# KiCad board MPU_MOD.kicad_pcb
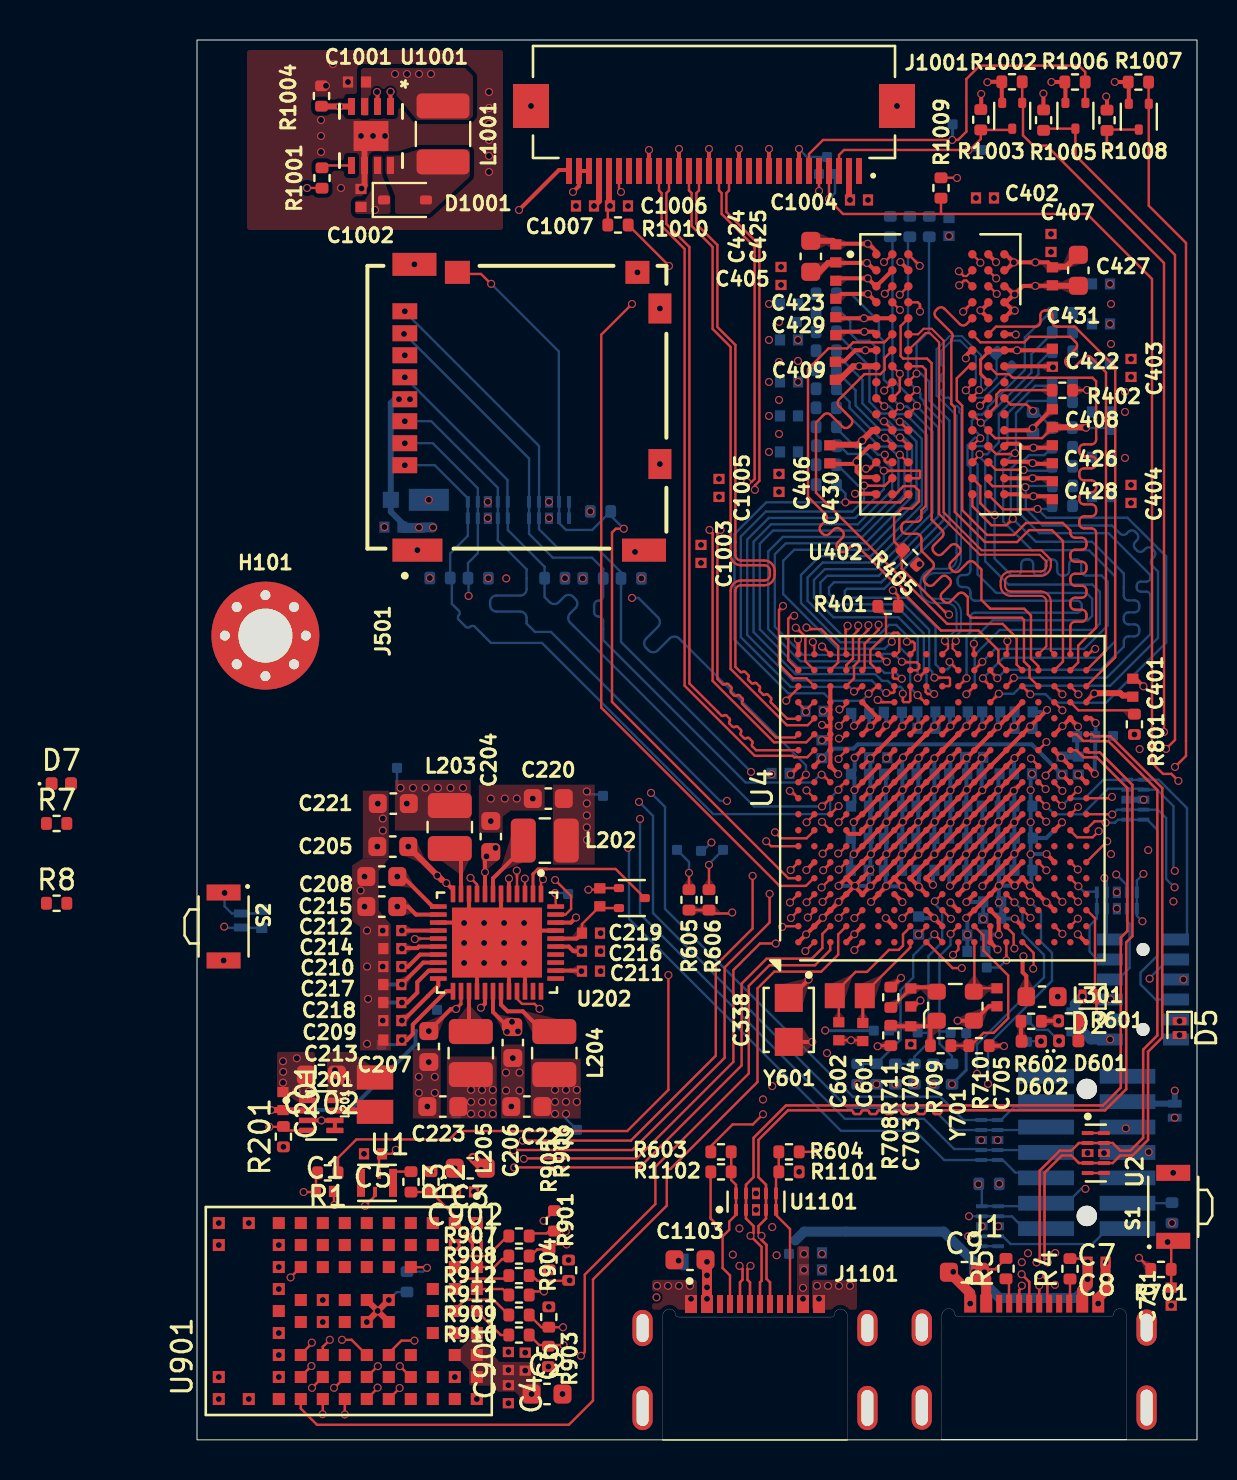
[diagram p0: board, top side]
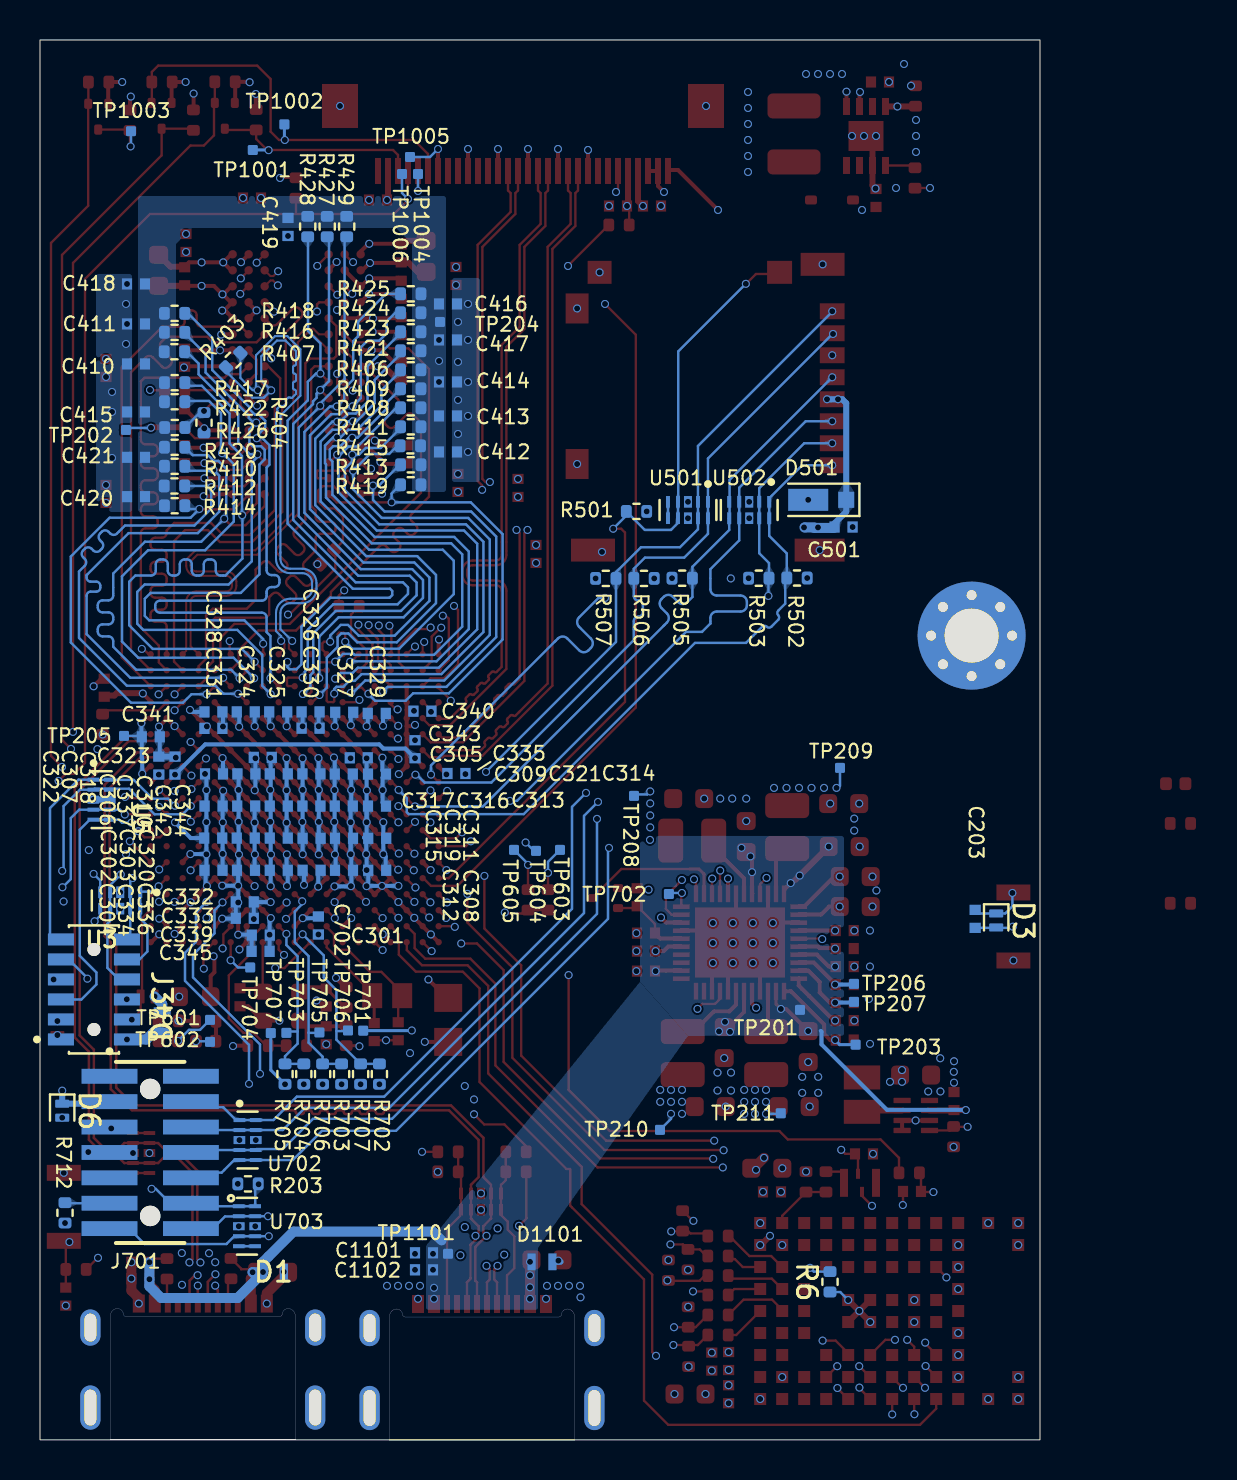
[diagram p1: board, bottom side, seen from below]

Outline 50 x 70.01 mm; copper layers: 1L.Cu, 2L.Cu (plane), 3L.Cu, 4L.Cu (plane), 5L.Cu (plane), 6L.Cu, 7L.Cu (plane), 8L.Cu. Coordinates in mm from the lower left corner of the outline.
Outline path: rectangle 0,70.01 50,0.01
Stack: 1L.Cu 0.035mm / dielectric 0.1mm FR4 er 4.5 / 2L.Cu 0.035mm / dielectric 0.3mm FR4 er 4.5 / 3L.Cu 0.035mm / dielectric 0.1mm FR4 er 4.5 / 4L.Cu 0.035mm / dielectric 0.3mm FR4 er 4.5 / 5L.Cu 0.035mm / dielectric 0.1mm FR4 er 4.5 / 6L.Cu 0.035mm / dielectric 0.3mm FR4 er 4.5 / 7L.Cu 0.035mm / dielectric 0.1mm FR4 er 4.5 / 8L.Cu 0.035mm

## Placement (name value [footprint] x y rotation side)
C1  100nF  [C_0402_small]  6.4 12.43 0 top
C2  22uF  [C_0603_1608Metric]  17.5 2.3 0 top
C3  22uF  [C_0603_1608Metric]  13.66 13.59 180 top
C4  100nF  [C_0402_small]  15.57 2.29 270 top
C5  100nF  [C_0402_small]  8.8 14.31 180 top
C6  1uF  [C_0402_small]  16.41 3.92 270 top
C7  100pF  [C_0402_small]  44.98 8.07 0 top
C8  100nF  [C_0402_small]  44.98 8.89 180 top
C9  10uF  [C_0603_1608Metric]  38.37 8.39 0 top
C201  4.7uF  [C_0402_small]  4.3 16.95 270 top
C202  10uF  [C_0603_1608Metric]  6.22 18.25 180 top
C203  10nF  [C_0402_small]  3.24 26.06 90 bottom
C204  10uF  [C_0603_1608Metric]  14.69 30.17 270 top
C205  10uF  [C_0603_1608Metric]  9.79 29.67 0 top
C206  10uF  [C_0603_1608Metric]  15.79 19.87 90 top
C207  10uF  [C_0603_1608Metric]  11.59 19.67 90 top
C208  10uF  [C_0603_1608Metric]  9.24 28.17 0 top
C209  1uF  [C_0402_small]  9.77 20.97 0 top
C210  1uF  [C_0402_small]  9.77 23.67 0 top
C211  4.7uF  [C_0402_small]  19.7 23.45 180 top
C212  1uF  [C_0402_small]  9.77 25.47 0 top
C213  4.7uF  [C_0402_small]  9.77 20 0 top
C214  4.7uF  [C_0402_small]  9.77 24.57 0 top
C215  10uF  [C_0603_1608Metric]  9.24 26.67 180 top
C216  4.7uF  [C_0402_small]  19.7 24.45 180 top
C217  4.7uF  [C_0402_small]  9.77 22.77 0 top
C218  4.7uF  [C_0402_small]  9.77 21.87 0 top
C219  4.7uF  [C_0402_small]  19.7 25.35 180 top
C220  22uF  [C_0603_1608Metric]  17.56 32.07 0 top
C221  22uF  [C_0603_1608Metric]  9.81 31.82 0 top
C222  22uF  [C_0603_1608Metric]  16.49 16.67 0 top
C223  22uF  [C_0603_1608Metric]  12.29 16.67 0 top
C301  1uF  [C_0402_small]  36.42 28.49 0 bottom
C302  1uF  [C_0402_small]  41.34 30.1 180 bottom
C303  1uF  [C_0402_small]  39.71 30.1 180 bottom
C304  1uF  [C_0402_small]  41.33 28.49 180 bottom
C305  1uF  [C_0402_small]  34.06 34.11 0 bottom
C306  1uF  [C_0402_small]  41.32 31.7 180 bottom
C307  1uF  [C_0402_small]  39.68 33.31 180 bottom
C308  1uF  [C_0402_small]  33.14 28.49 180 bottom
C309  1uF  [C_0402_small]  36.43 33.31 180 bottom
C310  1uF  [C_0402_small]  38.06 31.7 180 bottom
C311  1uF  [C_0402_small]  33.14 30.09 180 bottom
C312  1uF  [C_0402_small]  34.8 28.49 180 bottom
C313  1uF  [C_0402_small]  33.15 31.7 180 bottom
C314  1uF  [C_0402_small]  33.15 33.3 180 bottom
C315  1uF  [C_0402_small]  36.42 30.09 180 bottom
C316  1uF  [C_0402_small]  34.81 31.7 180 bottom
C317  1uF  [C_0402_small]  36.43 31.7 180 bottom
C318  1uF  [C_0402_small]  38.06 33.31 180 bottom
C319  1uF  [C_0402_small]  34.8 30.09 180 bottom
C320  1uF  [C_0402_small]  38.06 30.1 180 bottom
C321  1uF  [C_0402_small]  34.81 33.3 180 bottom
C322  1uF  [C_0402_small]  41.3 33.31 180 bottom
C323  1uF  [C_0402_small]  38.86 34.13 0 bottom
C324  1uF  [C_0402_small]  39.71 36.41 180 bottom
C325  1uF  [C_0402_small]  38.09 36.41 180 bottom
C326  1uF  [C_0402_small]  36.47 36.41 180 bottom
C327  1uF  [C_0402_small]  34.79 36.39 180 bottom
C328  1nF  [C_0402_small]  41.33 36.41 180 bottom
C329  1nF  [C_0402_small]  33.16 36.33 180 bottom
C330  1nF  [C_0402_small]  36.47 35.59 180 bottom
C331  1nF  [C_0402_small]  41.33 35.58 180 bottom
C332  1uF  [C_0402_small]  39.76 26.91 0 bottom
C333  100nF  [C_0402_small]  39.76 26.09 0 bottom
C334  1uF  [C_0402_small]  39.7 28.49 0 bottom
C335  1uF  [C_0402_small]  29.18 33.33 0 bottom
C336  1uF  [C_0402_small]  38.06 28.49 0 bottom
C337  1uF  [C_0402_small]  39.69 31.7 0 bottom
C338  CPH3225A  [CAPCP3225X100N]  29.59 21.01 270 top
C339  1uF  [C_0402_small]  38.96 25.24 180 bottom
C340  2.2uF  [C_0402_small]  30.88 36.44 180 bottom
C341  1uF  [C_0402_small]  44.46 35.16 180 bottom
C342  2.2uF  [C_0402_small]  44.06 33.72 90 bottom
C343  1uF  [C_0402_small]  31.25 34.54 90 bottom
C344  2.2uF  [C_0402_small]  43.25 33.72 90 bottom
C345  100nF  [C_0402_small]  38.97 24.43 180 bottom
C401  100nF  [C_0402_small]  46.79 37.62 270 top
C402  100nF  [C_0402_small]  39.4 62.11 0 top
C403  100nF  [C_0402_small]  46.7 53.61 90 top
C404  100nF  [C_0402_small]  46.7 47.31 270 top
C405  100nF  [C_0402_small]  29.2 58.21 90 top
C406  100nF  [C_0402_small]  29.1 47.86 270 top
C407  100nF  [C_0402_small]  42.7 59.86 270 top
C408  100nF  [C_0402_small]  42.77 51.09 90 top
C409  100nF  [C_0402_small]  31.92 53.47 90 top
C410  100nF  [C_0402_small]  45.2 53.81 0 bottom
C411  100nF  [C_0402_small]  45.2 55.81 0 bottom
C412  100nF  [C_0402_small]  29.6 49.41 180 bottom
C413  100nF  [C_0402_small]  29.6 51.21 180 bottom
C414  100nF  [C_0402_small]  29.6 52.91 180 bottom
C415  100nF  [C_0402_small]  45.2 51.41 0 bottom
C416  100nF  [C_0402_small]  29.6 56.81 180 bottom
C417  100nF  [C_0402_small]  29.6 55.01 180 bottom
C418  100nF  [C_0402_small]  45.2 57.81 0 bottom
C419  100nF  [C_0402_small]  37.6 60.66 270 bottom
C420  100nF  [C_0402_small]  45.2 47.17 0 bottom
C421  100nF  [C_0402_small]  45.2 49.14 0 bottom
C422  100nF  [C_0402_small]  42.77 54.12 270 top
C423  100nF  [C_0402_small]  31.94 57.52 90 top
C424  10uF  [C_0603_1608Metric]  30.69 59.19 90 top
C425  100nF  [C_0402_small]  31.94 59.34 90 top
C426  100nF  [C_0402_small]  42.77 49.29 90 top
C427  10uF  [C_0603_1608Metric]  44.07 58.49 270 top
C428  100nF  [C_0402_small]  42.77 47.49 90 top
C429  100nF  [C_0402_small]  31.94 55.7 270 top
C430  100nF  [C_0402_small]  31.64 49.29 270 top
C431  100nF  [C_0402_small]  42.77 58.19 270 top
C501  4.7uF  [C_0402_small]  9.82 45.65 0 bottom
C601  6.8pF  [C_0402_small]  33.29 20.4 90 top
C602  6.8pF  [C_0402_small]  32.09 20.44 270 top
C701  10nF  [C_0402_small]  48.71 7.17 90 top
C702  10nF  [C_0402_small]  36.08 25.73 270 bottom
C703  6.8pF  [C_0402_small]  35.69 20.24 90 top  (not fitted)
C704  10nF  [C_0402_small]  35.69 22.13 270 top
C705  6.8pF  [C_0402_small]  40 22.14 90 top  (not fitted)
C901  100nF  [C_0402_small]  15.57 3.95 90 top
C902  100nF  [C_0402_small]  13.4 12.41 180 top
C1001  4.7uF  [C_0402_small]  8 67.91 0 top
C1002  1uF  [C_0402_small]  8.2 62.11 270 top
C1003  100nF  [C_0402_small]  25.2 44.31 270 top
C1004  1uF  [C_0402_small]  33.1 62.01 180 top
C1005  100nF  [C_0402_small]  26.1 47.61 270 top
C1006  1uF  [C_0402_small]  21.1 61.71 0 top
C1007  1uF  [C_0402_small]  19.4 61.71 180 top
C1101  100pF  [C_0402_small]  30.8 9.36 0 bottom
C1102  100nF  [C_0402_small]  30.8 8.51 180 bottom
C1103  10uF  [C_0603_1608Metric]  24.65 9.01 0 top
D1  ESDA7P120-1U1M  [DIODE_ESDA7P120-1U1M_STM]  38.33 8.4 180 bottom
D2  DF2S5M4CT,L3F  [D_SOD-882]  44.62 22.18 180 top
D3  DF2S5M4CT,L3F  [D_SOD-882]  2.19 25.98 270 bottom
D4  ESDA7P120-1U1M  [DIODE_ESDA7P120-1U1M_STM]  43.89 20.91 90 bottom
D5  DF2S5M4CT,L3F  [D_SOD-882]  49.13 20.6 270 top
D6  DF2S5M4CT,L3F  [D_SOD-882]  48.89 16.47 270 bottom
D7  LED_B  [LED_0402_1005Metric]  -6.78 32.82 0 top
D501  MSP3V3-M3/89A  [D_MicroSMP_KA]  10.71 47.01 0 bottom
D601  LED_B  [LED_0402_1005Metric]  43.58 19.96 0 top
D602  LED_R  [LED_0402_1005Metric]  41.72 19.94 180 top
D1001  1N5819WS  [D_SOD-323]  10.4 62.01 0 top
D1101  ESDA7P120-1U1M  [DIODE_ESDA7P120-1U1M_STM]  24.9 8.91 180 bottom
H101  MountingHole_Pad  [MountingHole_2.7mm_M2.5_Pad_Via]  3.42 40.22 0 top
J1  USB4510-03-1-A_REVA  [GCT_USB4510-03-1-A_REVA]  41.86 1.62 0 top
J3  M40-3100645R  [HARWIN_M40-3100645R]  47.3 22.53 270 bottom
J501  MEM2090-00-145-00-A_REVA  [GCT_MEM2090-00-145-00-A_REVA]  8.52 51.64 270 top
J701  FTSH-107-01-L-DV-K-A  [SAMTEC_FTSH-107-01-L-DV-K-A]  44.49 14.38 270 bottom
J1001  FH12-30S-0.5SH_55_  [HIROSE_FH12-30S-0.5SH_55_]  25.85 63.46 180 top
J1101  USB4510-03-1-A_REVA  [GCT_USB4510-03-1-A_REVA]  27.9 1.6 0 top
L201  DFE201612E-2R2M=P2  [INDC2016X120N]  8.9 17.27 90 top
L202  1uH  [L_1008_2520Metric]  17.39 29.97 0 top
L203  1uH  [L_1008_2520Metric]  12.64 30.65 90 top
L204  1uH  [L_1008_2520Metric]  17.86 19.35 270 top
L205  1uH  [L_1008_2520Metric]  13.69 19.35 270 top
L301  1uH  [L_0603_1608Metric]  42.25 22.17 180 top
L1001  4.7uH  [L_1210_3225Metric]  12.3 65.31 270 top
NT501  NetTie_2  [NetTie-2_SMD_Pad0.5mm]  10.8 45.61 0 bottom
Q1  DMG1012TQ-7  [SOT-523]  40.76 66.22 270 top
Q2  DMG1012TQ-7  [SOT-523]  43.92 66.22 270 top
Q3  DMG1012TQ-7  [SOT-523]  47.09 66.17 270 top
Q201  DMG1013T-7  [SOT-523]  21.74 27.1 0 top
R1  100  [R_0402_1005Metric]  6.54 13.36 180 top
R2  47k  [R_0402_1005Metric]  11.7 12.91 270 top
R3  33  [R_0402_1005Metric]  10.7 12.91 270 top
R4  56k  [R_0402_1005Metric]  43.65 8.56 90 top
R5  56k  [R_0402_1005Metric]  40.45 8.57 90 top
R6  56k  [R_0402_1005Metric]  10.5 7.91 90 bottom
R7  ~  [R_0402_1005Metric]  -7.02 30.83 0 top
R8  47k  [R_0402_1005Metric]  -7.02 26.84 0 top
R201  10k  [R_0402_1005Metric]  4.32 15.17 90 top
R202  1M  [C_0402_small]  20.14 27.14 90 top
R203  0  [R_0402_1005Metric]  39.6 12.81 180 bottom
R401  240  [R_0402_1005Metric]  34.55 41.69 0 top
R402  240  [R_0402_1005Metric]  43.27 52.49 0 top
R403  100  [R_0402_1005Metric]  40.34 54 135 bottom
R404  10k  [R_0402_1005Metric]  41.8 50.87 90 bottom
R405  10k  [R_0402_1005Metric]  35.65 44.14 135 top
R406  56  [R_0402_1005Metric]  31.46 53.52 180 bottom
R407  56  [R_0402_1005Metric]  43.28 54.42 0 bottom
R408  56  [R_0402_1005Metric]  31.46 51.62 180 bottom
R409  56  [R_0402_1005Metric]  31.46 52.57 180 bottom
R410  56  [R_0402_1005Metric]  43.27 48.69 0 bottom
R411  56  [R_0402_1005Metric]  31.46 50.67 180 bottom
R412  56  [R_0402_1005Metric]  43.28 47.71 0 bottom
R413  56  [R_0402_1005Metric]  31.46 48.77 180 bottom
R414  56  [R_0402_1005Metric]  43.27 46.72 0 bottom
R415  56  [R_0402_1005Metric]  31.48 49.72 180 bottom
R416  56  [R_0402_1005Metric]  43.27 55.39 0 bottom
R417  56  [R_0402_1005Metric]  43.27 52.87 0 bottom
R418  56  [R_0402_1005Metric]  43.27 56.34 0 bottom
R419  56  [R_0402_1005Metric]  31.46 47.77 180 bottom
R420  56  [R_0402_1005Metric]  43.27 49.64 0 bottom
R421  56  [R_0402_1005Metric]  31.46 54.47 180 bottom
R422  56  [R_0402_1005Metric]  43.27 51.92 0 bottom
R423  56  [R_0402_1005Metric]  31.46 55.42 180 bottom
R424  56  [R_0402_1005Metric]  31.46 56.37 180 bottom
R425  56  [R_0402_1005Metric]  31.46 57.32 180 bottom
R426  56  [R_0402_1005Metric]  43.26 50.63 0 bottom
R427  56  [R_0402_1005Metric]  35.64 60.68 90 bottom
R428  56  [R_0402_1005Metric]  36.61 60.68 90 bottom
R429  56  [R_0402_1005Metric]  34.67 60.68 90 bottom
R501  47k  [R_0402_1005Metric]  20.17 46.43 180 bottom
R502  47k  [R_0402_1005Metric]  12.15 43.1 180 bottom
R503  47k  [R_0402_1005Metric]  14.06 43.09 0 bottom
R505  10k  [R_0402_1005Metric]  17.89 43.09 0 bottom
R506  47k  [R_0402_1005Metric]  19.8 43.08 180 bottom
R507  47k  [R_0402_1005Metric]  21.71 43.08 0 bottom
R601  ~  [R_0402_1005Metric]  43.59 20.96 180 top
R602  ~  [R_0402_1005Metric]  41.71 20.94 0 top
R603  47k  [R_0402_1005Metric]  26.2 14.41 0 top
R604  47k  [R_0402_1005Metric]  29.6 14.41 180 top
R605  3k  [R_0402_1005Metric]  24.6 27.01 270 top
R606  3k  [R_0402_1005Metric]  25.6 27.01 270 top
R701  10k  [R_0402_1005Metric]  48.2 8.53 180 top
R702  10k  [R_0402_1005Metric]  33.03 18.3 270 bottom
R703  10k  [R_0402_1005Metric]  34.92 18.3 270 bottom  (not fitted)
R704  10k  [R_0402_1005Metric]  36.81 18.3 270 bottom
R705  10k  [R_0402_1005Metric]  37.75 18.3 90 bottom  (not fitted)
R706  10k  [R_0402_1005Metric]  35.87 18.3 270 bottom
R707  10k  [R_0402_1005Metric]  33.97 18.3 90 bottom  (not fitted)
R708  10k  [R_0402_1005Metric]  34.69 20.23 90 top
R709  0  [R_0402_1005Metric]  37.18 19.72 180 top  (not fitted)
R710  1k  [R_0402_1005Metric]  39.1 19.72 0 top
R711  10  [R_0402_1005Metric]  34.69 22.14 90 top
R712  100  [R_0402_1005Metric]  48.75 11.36 90 bottom
R801  3k  [R_0402_1005Metric]  46.87 35.79 90 top
R901  10k  [R_0402_1005Metric]  18.58 8.49 90 top
R903  47k  [R_0402_1005Metric]  17.57 4.18 270 top
R904  47k  [R_0402_1005Metric]  17.59 6.15 90 top
R905  47k  [R_0402_1005Metric]  17.6 9.02 270 top
R906  47k  [R_0402_1005Metric]  17.87 10.96 90 top
R907  33  [R_0402_1005Metric]  16.1 10.2 180 top
R908  33  [R_0402_1005Metric]  16.1 9.2 180 top
R909  33  [R_0402_1005Metric]  16.1 6.25 180 top
R910  33  [R_0402_1005Metric]  16.1 5.25 180 top
R911  33  [R_0402_1005Metric]  16.1 7.25 180 top
R912  33  [R_0402_1005Metric]  16.1 8.22 180 top
R1001  0  [R_0402_1005Metric]  6.25 63.11 270 top
R1002  10k  [R_0402_1005Metric]  40.75 67.92 0 top
R1003  10k  [R_0402_1005Metric]  39.19 66.02 90 top
R1004  6.8  [R_0402_1005Metric]  6.22 67.21 270 top
R1005  10k  [R_0402_1005Metric]  42.33 66 90 top
R1006  10k  [R_0402_1005Metric]  43.9 67.91 0 top
R1007  10k  [R_0402_1005Metric]  47.07 67.91 0 top
R1008  10k  [R_0402_1005Metric]  45.5 66 90 top
R1009  3k  [R_0402_1005Metric]  37.2 62.61 90 top
R1010  3k  [R_0402_1005Metric]  21.05 60.76 180 top
R1101  5k1  [R_0402_1005Metric]  29.6 13.41 180 top
R1102  5k1  [R_0402_1005Metric]  26.2 13.41 0 top
S1  B3U-3000P  [SW_B3U-3000P]  48.81 11.66 90 top
S2  B3U-3000P  [SW_B3U-3000P]  1.33 25.68 270 top
TP201  TestPoint  [TP_0.5]  12 21.51 180 bottom
TP202  TestPoint  [TP_0.5]  45.7 50.51 180 bottom
TP203  TestPoint  [TP_0.5]  9.22 19.77 180 bottom
TP204  TestPoint  [TP_0.5]  30 55.91 180 bottom
TP205  TestPoint  [TP_0.5]  45.8 35.21 180 bottom
TP206  TestPoint  [TP_0.5]  9.3 22.81 180 bottom
TP207  TestPoint  [TP_0.5]  9.3 21.91 180 bottom
TP208  TestPoint  [TP_0.5]  20.3 32.21 180 bottom
TP209  TestPoint  [TP_0.5]  10 33.61 180 bottom
TP210  TestPoint  [TP_0.5]  19 15.51 180 bottom
TP211  TestPoint  [TP_0.5]  12.96 16.34 180 bottom
TP601  TestPoint  [TP_0.5]  41.5 21.01 180 bottom
TP602  TestPoint  [TP_0.5]  41.5 19.91 180 bottom
TP603  TestPoint  [TP_0.5]  24 29.51 270 bottom
TP604  TestPoint  [TP_0.5]  26.3 29.51 270 bottom
TP605  TestPoint  [TP_0.5]  25.2 29.46 90 bottom
TP701  TestPoint  [TP_0.5]  33.84 20.47 180 bottom
TP702  TestPoint  [TP_0.5]  18.56 27.3 0 bottom
TP703  TestPoint  [TP_0.5]  37.68 20.36 180 bottom
TP704  TestPoint  [TP_0.5]  39.49 23.63 180 bottom
TP705  TestPoint  [TP_0.5]  36.03 20.38 180 bottom
TP706  TestPoint  [TP_0.5]  34.6 20.48 180 bottom
TP707  TestPoint  [TP_0.5]  38.46 20.35 180 bottom
TP1001  TestPoint  [TP_0.5]  39.36 64.51 180 bottom
TP1002  TestPoint  [TP_0.5]  37.78 65.79 180 bottom
TP1003  TestPoint  [TP_0.5]  45.45 65.45 180 bottom
TP1004  TestPoint  [TP_0.5]  31.1 63.31 180 bottom
TP1005  TestPoint  [TP_0.5]  31.5 64.16 180 bottom
TP1006  TestPoint  [TP_0.5]  31.9 63.31 180 bottom
TP1101  TestPoint  [TP_0.5]  29.6 9.31 180 bottom
U1  SIT1533AI-H4-DCC-32.768E  [SIT1533AI_2X1.2MM]  9 12.86 0 top
U2  HSP051-4M10  [IC_HSP051-4M10]  44.94 14.35 270 top
U3  HSP051-4M10  [IC_HSP051-4M10]  45.99 26.98 0 bottom
U4  STM32MP157FABx  [ST_LFBGA-354_16x16mm_Layout19x19_P0.8mm]  37.27 32.09 90 top
U5  HSP051-4M10  [IC_HSP051-4M10]  46.92 32.02 270 bottom
U201  -  [TPS62840DLCR]  6.21 16.23 0 top
U202  STPMIC1APQR  [QFN40P600X500X80-45N]  15 24.87 270 top
U402  MT41K256M16TW-107_P  [BGA96C80P9X16_1400X800X120]  37.17 53.29 0 top
U501  HSP051-4M10  [IC_HSP051-4M10]  17.6 46.5 0 bottom
U502  HSP051-4M10  [IC_HSP051-4M10]  14.54 46.5 0 bottom
U702  HSP051-4M10  [IC_HSP051-4M10]  39.62 15 270 bottom
U703  HSP051-4M10  [IC_HSP051-4M10]  39.65 10.69 270 bottom
U901  MAYA-W166-00B  [XCVR_MAYA-W166-00B]  7.39 6.45 90 top
U1001  TPS61042DRBR  [DRB8_1P75X1P5]  8.7 65.21 270 top
U1101  HSP051-4M10  [IC_HSP051-4M10]  27.95 11.92 0 top
Y601  NX2012SA-32.768K  [XTAL_NX2012SA-32.768K-STD-MUB-1]  32.64 22.22 0 top
Y701  ECS-2520MVQ-240  [Oscillator_SMD_ECS_2520MV-xxx-xx-4Pin_2.5x2.0mm]  37.92 21.69 90 top

## Library data of the parts
C1 C4 C5 C8 C901 C902 = -: Description: Unpolarized capacitor; Mouser P/N: 81-GRM155R61E104KA7J; LCSC Part #: C307331; REC P/N: GRM155R61E104KA87J; ki_fp_filters: C_*
C2 C3 = -: Description: Unpolarized capacitor; Mouser P/N: 81-GRM188R60J226ME0J; LCSC Part #: C59461; REC P/N: GRM188R60J226MEA0J; ki_fp_filters: C_*
C6 = -: Description: Unpolarized capacitor; Mouser P/N: 81-GRM155R61E105KA2D; LCSC Part #: C52923; REC P/N: GRM155R61E105KA12D; ki_fp_filters: C_*
C7 C1101 = -: Description: Unpolarized capacitor; LCSC Part #: C1546; ki_fp_filters: C_*
C9 C202 = -: Description: Unpolarized capacitor; Mouser P/N: 81-GRT188R61A106KE3D; LCSC Part #: C96446; REC P/N: GRT188R61A106KE13D; ki_fp_filters: C_*
C201 = -: Description: Unpolarized capacitor; Mouser P/N: 81-GRM155R60J475ME7J; LCSC Part #: C23733; REC P/N: GRM155R60J475ME47; ki_fp_filters: C_*
C203 C701 C702 C704 = -: Description: Unpolarized capacitor; P/N: GRM155R71C103KA01J; Mouser P/N: 81-GRM155R71C103KA1J; LCSC Part #: C15195; REC P/N: GRM155R71C103KA01J; ki_fp_filters: C_*
C204-C208 C215 C424 C427 C1103 = -: Description: Unpolarized capacitor; P/N: GRT188R61A106KE13D; Mouser P/N: 81-GRT188R61A106KE3D; LCSC Part #: C96446; REC P/N: GRT188R61A106KE13D; ki_fp_filters: C_*
C209 C210 C212 C301-C327 C332 C334-C337 C339 C341 C343 C1002 = -: Description: Unpolarized capacitor; P/N: GRM155R61E105KA12D; Mouser P/N: 81-GRM155R61E105KA2D; LCSC Part #: C52923; REC P/N: GRM155R61E105KA12D; ki_fp_filters: C_*
C211 C213 C214 C216-C219 C501 C1001 = -: Description: Unpolarized capacitor; P/N: GRM155R60J475ME47; Mouser P/N: 81-GRM155R60J475ME7J; LCSC Part #: C23733; REC P/N: GRM155R60J475ME47; ki_fp_filters: C_*
C220-C223 = -: Description: Unpolarized capacitor; P/N: GRM188R60J226MEA0J; Mouser P/N: 81-GRM188R60J226ME0J; LCSC Part #: C59461; REC P/N: GRM188R60J226MEA0J; ki_fp_filters: C_*
C328-C331 = -: Description: Unpolarized capacitor; P/N: GRM155R70J102KA01D; Mouser P/N: 81-GRM155R70J102KA1D; LCSC Part #: C1523; REC P/N: GRM155R70J102KA01D; ki_fp_filters: C_*
C333 C345 C401-C423 C425 C426 C428-C431 C1102 = -: Description: Unpolarized capacitor; P/N: GRM155R61E104KA87J; Mouser P/N: 81-GRM155R61E104KA7J; LCSC Part #: C307331; REC P/N: GRM155R61E104KA87J; ki_fp_filters: C_*
C338 = -: MF: Seiko Instruments; Description_1: 11 mF (EDLC) Supercapacitor 3.3 V 1210 (3225 Metric) - -; Package: 1210 Seiko; Price: None; SnapEDA_Link: https://www.snapeda.com/parts/CPH3225A/Seiko/view-part/?ref=snap; Availability: In Stock; Check_prices: https://www.snapeda.com/parts/CPH3225A/Seiko/view-part/?ref=eda
C340 C342 C344 = -: Description: Unpolarized capacitor; P/N: GRT153R60J225ME13D; Mouser P/N: 81-GRT153R60J225ME3D; LCSC Part #: C12530; REC P/N: GRT153R60J225ME13D; ki_fp_filters: C_*
C601 C602 C703 C705 = -: Description: Unpolarized capacitor; LCSC Part #: C88896; ki_fp_filters: C_*
C1003 C1005 = -: Description: Unpolarized capacitor; LCSC#: C1525; LCSC Part #: C307331; ki_fp_filters: C_*
C1004 C1006 C1007 = -: Description: Unpolarized capacitor; LCSC Part #: C52923; REC P/N: GRM155R61E105KA12D; ki_fp_filters: C_*
D1 D4 D1101 = -: Datasheet: https://www.littelfuse.com/media?resourcetype=datasheets&itemid=75e32973-b177-4ee3-a0ff-cedaf1abdb93&filename=smaj-datasheet; Description: 400W unidirectional Transient Voltage Suppressor, 5.0Vr, SMA(DO-214AC); LCSC Part #: C2969802; ki_fp_filters: D*SMA*
D2 D3 D5 D6 = -: MF: NXP Semiconductors; Package: None; Price: None; Check_prices: https://www.snapeda.com/parts/PTVS3V3S1UR/NXP+Semiconductors/view-part/?ref=eda; STANDARD: Manufacturer Recommendations; PARTREV: Rev. 3; SnapEDA_Link: https://www.snapeda.com/parts/PTVS3V3S1UR/NXP+Semiconductors/view-part/?ref=snap; Description_1: TVS Diode Single Uni-Dir 3.3V 400W Automotive 2-Pin SOD-123W T/R; Availability: In Stock; MANUFACTURER: Nexperia; LCSC Part #: C556302
D7 D601 D602 = -: Description: Light emitting diode; Sim.Pins: 1=K 2=A; LCSC Part #: C130723; ki_fp_filters: LED* LED_SMD:* LED_THT:*
D501 = -: MF: NXP Semiconductors; Package: None; Price: None; Check_prices: https://www.snapeda.com/parts/PTVS3V3S1UR/NXP+Semiconductors/view-part/?ref=eda; STANDARD: Manufacturer Recommendations; PARTREV: Rev. 3; SnapEDA_Link: https://www.snapeda.com/parts/PTVS3V3S1UR/NXP+Semiconductors/view-part/?ref=snap; Description_1: TVS Diode Single Uni-Dir 3.3V 400W Automotive 2-Pin SOD-123W T/R; Availability: In Stock; MANUFACTURER: Nexperia; LCSC Part #: C506620
D1001 = -: Datasheet: https://datasheet.lcsc.com/lcsc/2204281430_Guangdong-Hottech-1N5819WS_C191023.pdf; Description: 40V 600mV@1A 1A SOD-323 Schottky Barrier Diodes, SOD-323; LCSC#: C191023; LCSC Part #: C191023; ki_fp_filters: D*SOD?323*
H101 = -: Description: Mounting Hole with connection; ki_fp_filters: MountingHole*Pad*
J1 J1101 = -: MF: Global Connector Technology; MAXIMUM_PACKAGE_HEIGHT: 2.46mm; Package: None; Price: None; Check_prices: https://www.snapeda.com/parts/USB4510031A/Global+Connector+Technology/view-part/?ref=eda; STANDARD: Manufacturer Recommendations; PARTREV: A; SnapEDA_Link: https://www.snapeda.com/parts/USB4510031A/Global+Connector+Technology/view-part/?ref=snap; MP: USB4510031A; Description_1: USB CONN, 2.0 TYPE C, R/A RCPT, 16POS; USB Connector Type:USB Type C; USB Standard:USB 2.0; Gender:Receptacle; No. of Positions:16Positions; Connector Mounting:Surface Mount, Through Hole Mount; Orientation:Right Angle; Availability: In Stock; MANUFACTURER: GCT; LCSC Part #: C5815192
J3 = -: MF: Harwin; Package: None; Price: None; Check_prices: https://www.snapeda.com/parts/M40-3100645R/Harwin/view-part/?ref=eda; STANDARD: Manufacturer Recommendations; SnapEDA_Link: https://www.snapeda.com/parts/M40-3100645R/Harwin/view-part/?ref=snap; Description_1: 1.00mm Pitch DIL Vertical SMT Socket Assembly, location pegs, gold, 6+6 contacts, pick & place (Tape & Reel packing); Availability: In Stock; MANUFACTURER: HARWIN; match conn: M40-3201045R